# Allegro board RK_EVB7_RK3588_LP4XD200P232SD8_V11_20230111YWQ.brd (continued)
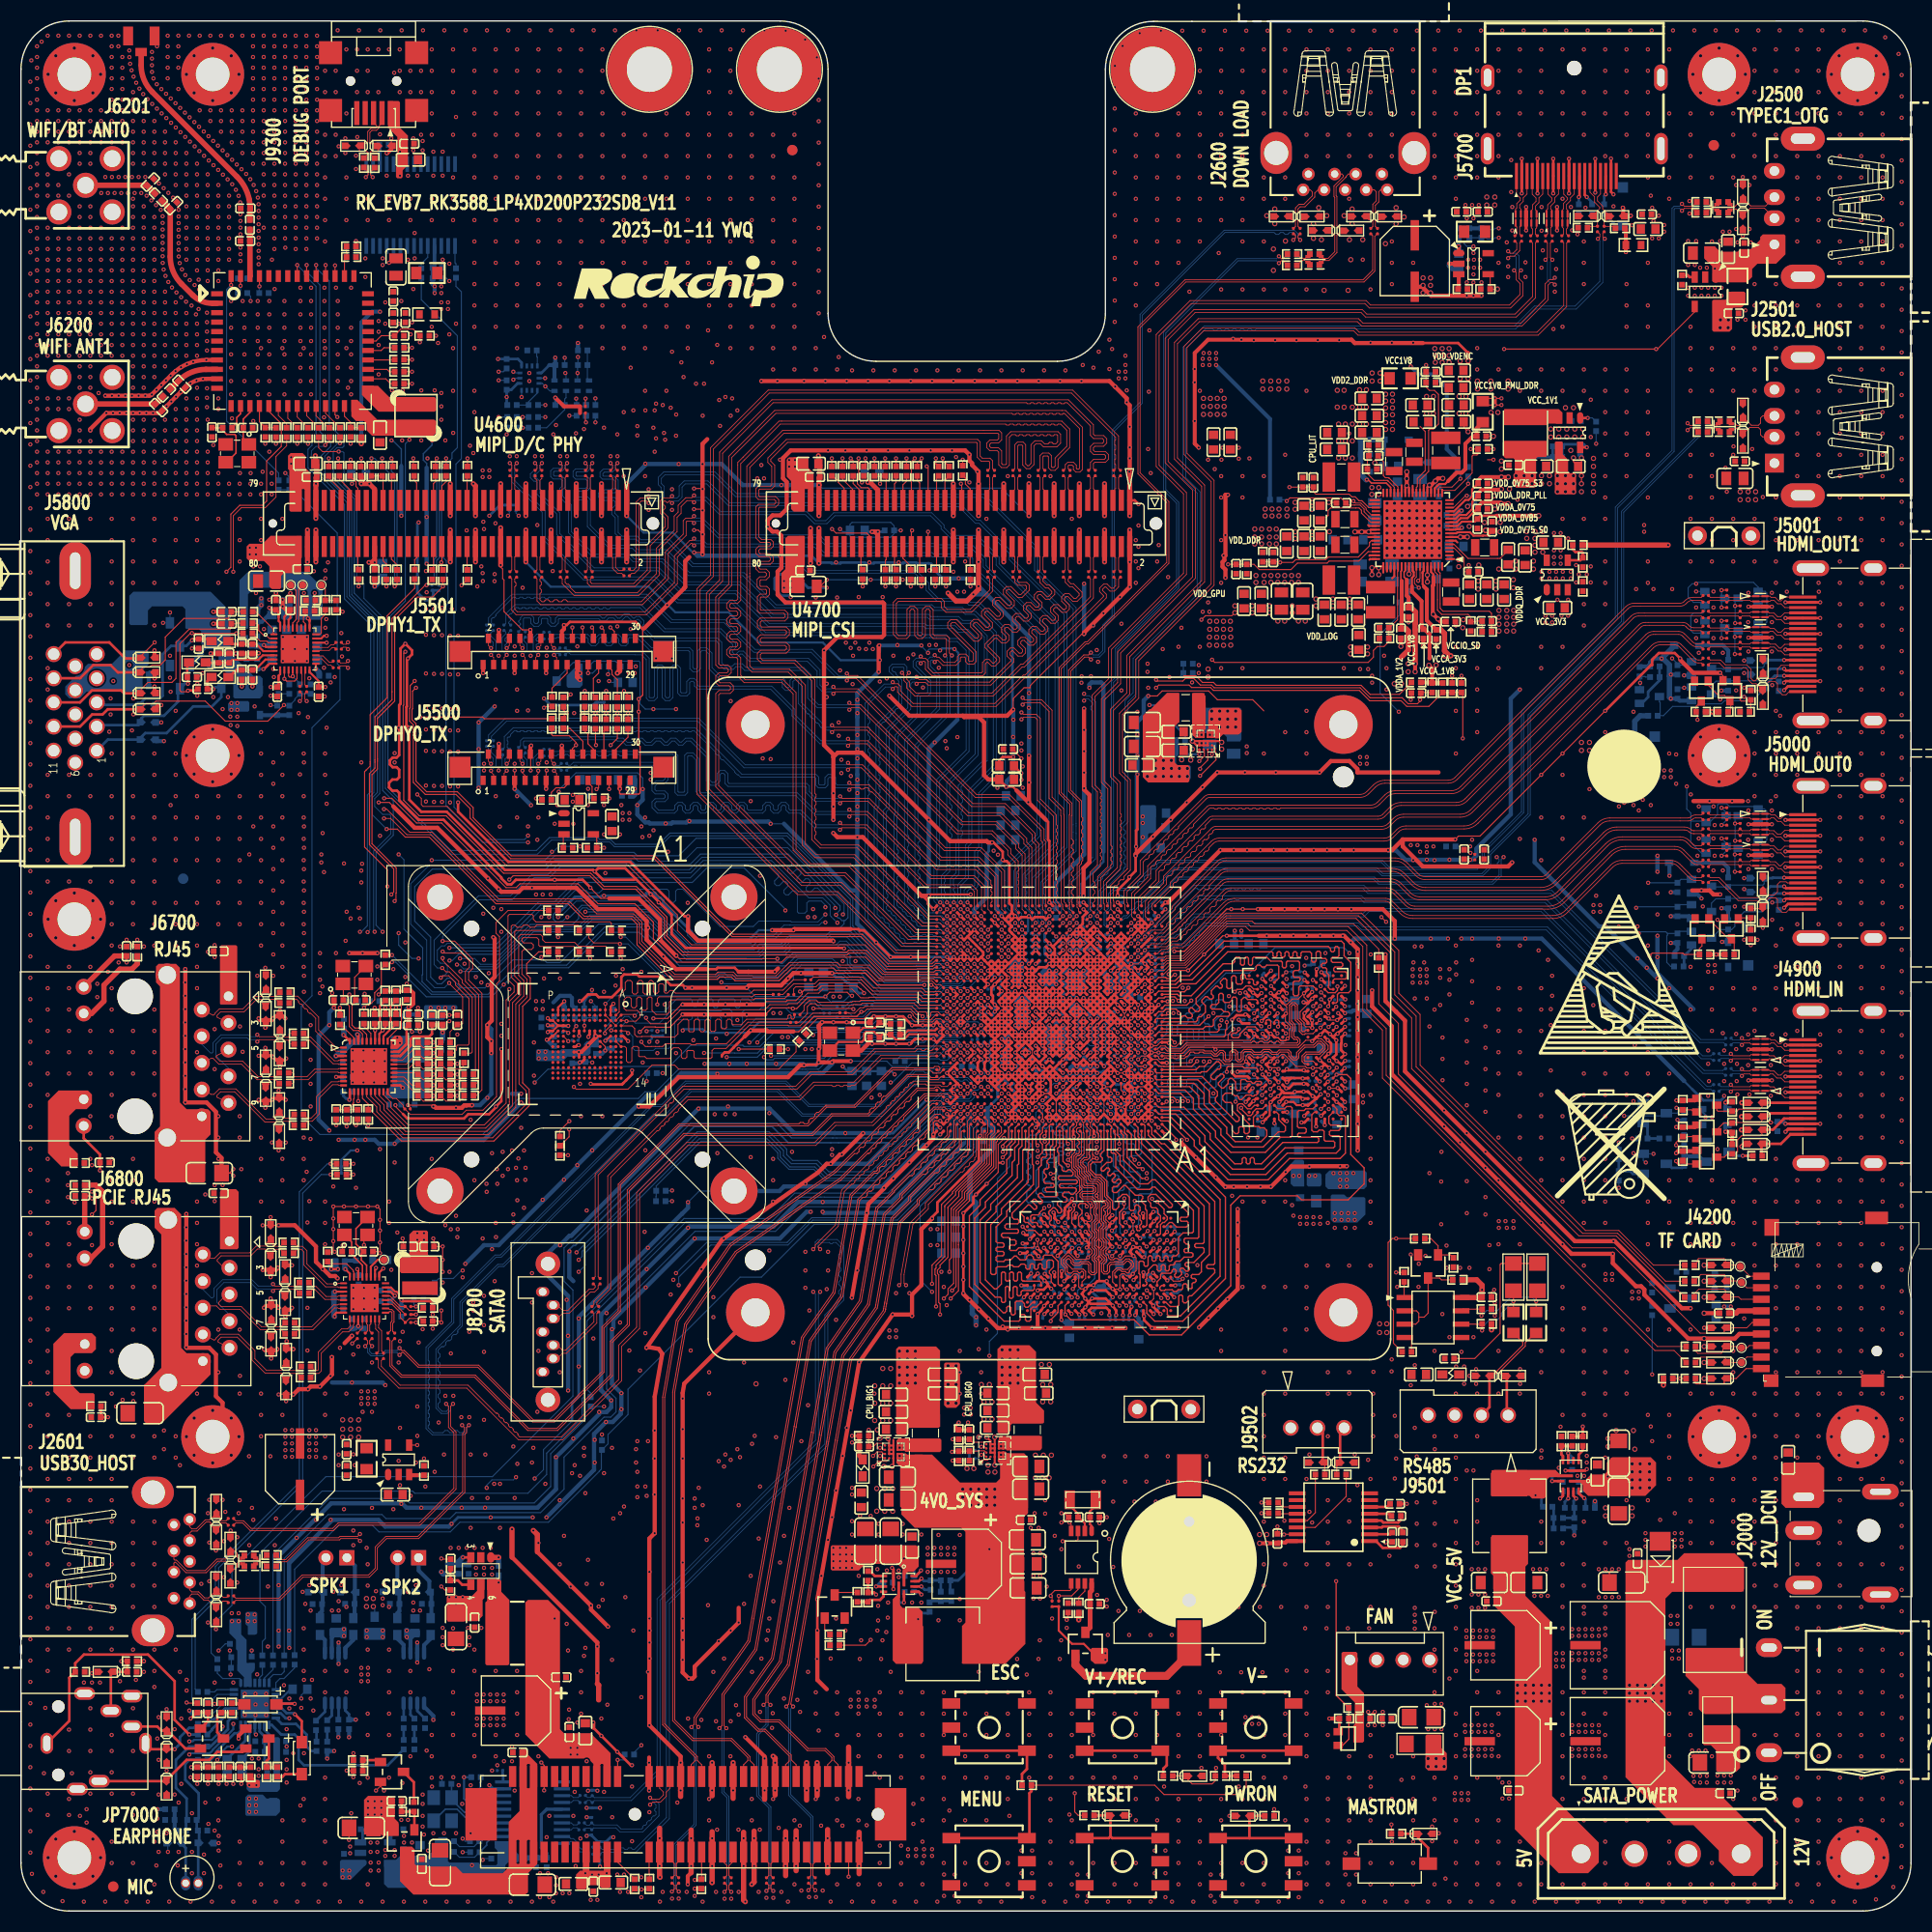
[diagram p0: board, top side]
## Routing (per net, layer and track width the routed paths; a pad name or vN(x,y) marks a point on that pad's centre or on a via; arc(x,y) is an arc through that point) (continued)
  L3-POWER1 w0.089: 99.01,96.28 99.01,94.98 98.92,94.89 98.92,94.43 v1(99.24,94.1)
  L3-POWER1 w0.104: v1(133.25,115.36) 133.25,109.06 133.25,107.49 131.62,105.86 131.62,91.97 131.83,91.76 131.83,86.3 132.49,85.64 132.49,63.79 131.85,63.16 131.85,62.4 132.36,61.89 132.36,59.1 133.5,57.95 133.5,54.67 131.22,52.39 131.22,50.99 129.44,49.21 129.44,42.97 127.81,41.34 127.81,34.3 127.53,34.02 127.53,20.37 120.79,13.63 v1(113.82,13.63) ; v1(101.01,117.58) 100.23,116.8 100.23,116.26 99.01,115.05 99.01,96.28
  L6-S2 w0.104: v1(108.1,117.26) 108,117.16 106.92,117.16 106.86,117.21 101.38,117.21 v1(101.01,117.58)
SARADC_VIN3_HP_HOOK: length 192.7
  TOP w0.104: U1000.AN17 98.27,95.08 v1(97.94,95.4)
  TOP w0.254: v1(16.21,13.7) C7017.1 R7014.1 R7012.1
  L3-POWER1 w0.089: 98.29,96.28 98.29,95.75 v1(97.94,95.4)
  L3-POWER1 w0.104: v1(95.4,109.01) 96.16,109.01 98.29,106.88 98.29,96.28 ; v1(22.12,103.29) 22.25,103.16 22.25,100.37 22,100.12 22,44.36 21.97,44.34 25.55,40.76 25.55,29.25 22,25.69 18.7,25.69 17.43,24.42 17.43,14.91 v1(16.21,13.7)
  L6-S2 w0.104: v1(22.12,103.29) 22.5,103.67 35.97,103.67 37.11,104.82 55.91,104.82 56.79,105.7 59.72,105.7 61.87,107.86 75.82,107.86 77.97,110.02 78.73,110.02 79.75,109.01 v1(95.4,109.01)
  BOTTOM w0.089: C1512.1 98.03,95.49 v1(97.94,95.4)
SARADC_VIN5_HW_ID: length 60.2
  TOP w0.089: v1(99.89,93.45) 99.57,93.13 U1000.AK15
  TOP w0.104: R1508.2 131.27,115.86 128.5,115.86 127.63,116.73 113.84,116.73 113.56,117.01 112.52,117.01 111.88,117.64 110.77,117.64 110.64,117.52 v1(109.37,117.52)
  L3-POWER1 w0.089: 99.57,95.06 99.57,93.78 v1(99.89,93.45)
  L3-POWER1 w0.104: 99.57,95.06 99.47,95.16 99.47,114.86 101.63,117.01 101.63,117.32 v1(101.9,117.59)
  L6-S2 w0.104: v1(109.37,117.52) 109.25,117.64 107.95,117.64 107.71,117.4 107,117.4 106.96,117.44 102.05,117.44 v1(101.9,117.59)
  BOTTOM w0.104: R1510.1 C1513.1 110.32,117.52 v1(109.37,117.52)
SARADC_VIN7_LCD_ID0: length 76.5
  TOP w0.089: U1000.AK17 v1(98.59,92.8)
  TOP w0.104: R5513.1 v1(56.03,105.96) ; C1514.1 94.84,110.28 94.84,110.23 95.28,109.79 v1(95.28,109.77)
  L3-POWER1 w0.089: 98.54,96.28 98.54,92.86 v1(98.59,92.8)
  L3-POWER1 w0.104: v1(95.28,109.77) 95.3,109.77 95.83,109.24 96.26,109.24 98.52,106.98 98.52,106.78 98.54,106.76 98.54,96.28 ; v1(55.9,117.78) 56.41,117.27 56.41,116.61 57.3,115.72 57.3,112.84 55.63,111.17 55.63,106.36 v1(56.03,105.96)
  L6-S2 w0.104: v1(95.28,109.77) 94.89,109.39 81.05,109.39 80.16,110.28 77.42,110.28 75.26,108.12 61.8,108.12 59.64,105.96 v1(56.03,105.96)
  BOTTOM w0.104: v1(55.9,117.78) 55.91,117.78 55.91,117.9 55.97,117.97 R5563.1
SATA0_RXN: length 6
  TOP w0.076: J8200.5 51.08,56.43 51.57,56.92 52.21,56.92 54.23,58.94 54.62,58.94 54.97,59.28 54.97,59.56 C8202.2
SATA0_RXP: length 5.5
  TOP w0.076: C8203.2 54.69,59.56 54.69,59.4 54.51,59.22 54.11,59.22 52.09,57.2 51.57,57.2 51.08,57.7 J8200.6
SATA0_TXN: length 6.2
  TOP w0.076: C8201.2 54.56,56.89 54.56,56.11 51.84,53.39 51.57,53.39 51.08,53.89 J8200.3
SATA0_TXP: length 6.7
  TOP w0.076: J8200.2 51.08,52.62 51.57,53.11 51.96,53.11 54.84,56 54.84,56.89 C8200.2
SATA30_0_RXN: length 47.6
  TOP w0.076: C8202.1 54.97,60.41 54.97,70.1 61.31,76.44 61.4,76.44 61.4,76.44 61.49,76.44 61.65,76.61 61.65,76.7 61.65,76.78 61.81,76.95 61.9,76.95 61.9,76.95 61.99,76.95 62.15,77.11 62.15,77.2 62.15,77.29 63.14,78.27 73.9,78.27 75.28,79.64 79.2,79.64 81.39,81.83 85.13,81.83 85.39,82.09 85.67,82.09 85.74,82.02 85.8,81.96 86.03,81.96 86.1,82.02 86.17,82.09 86.39,82.09 86.46,82.02 86.53,81.96 86.76,81.96 86.82,82.02 86.89,82.09 87.21,82.09 U1000.N34
SATA30_0_RXP: length 48.4
  TOP w0.076: C8203.1 54.69,60.41 54.69,70.21 63.02,78.55 73.79,78.55 75.16,79.92 79.09,79.92 81.27,82.11 85.01,82.11 85.27,82.37 87.58,82.37 U1000.N33
SATA30_0_TXN: length 50
  TOP w0.076: C8201.1 54.56,57.75 54.56,58.05 55.88,59.37 55.88,70.01 63.41,77.54 74.08,77.54 75.47,78.93 79.32,78.93 81.86,81.47 86.28,81.47 86.54,81.73 87.57,81.73 U1000.M33
SATA30_0_TXP: length 49.5
  TOP w0.076: C8200.1 54.84,57.75 54.84,57.94 56.16,59.26 56.16,69.89 60.57,74.3 60.63,74.3 60.63,74.3 60.69,74.3 60.86,74.46 60.86,74.52 60.86,74.59 61.02,74.75 61.08,74.75 61.08,74.75 61.14,74.75 61.31,74.91 61.31,74.97 61.31,75.04 61.44,75.17 61.57,75.17 61.73,75.34 61.73,75.46 61.89,75.62 62.02,75.62 62.18,75.79 62.18,75.91 62.34,76.07 62.47,76.07 62.63,76.24 62.63,76.36 63.53,77.26 74.19,77.26 75.59,78.65 77.2,78.65 77.33,78.53 77.56,78.53 77.68,78.65 77.91,78.65 78.04,78.53 78.27,78.53 78.39,78.65 78.62,78.65 78.75,78.53 78.98,78.53 79.1,78.65 79.43,78.65 81.97,81.19 86.4,81.19 86.65,81.45 87.2,81.45 U1000.M34
SD_CLK: length 56.3
  TOP w0.086: R1320.2 129.31,86.4 131.18,84.53 131.18,79.7 147.73,63.16 151.79,63.16 159.92,55.03 162.08,55.03 162.21,55.17 162.21,55.44 D4204.1 162.35,55.54 162.8,55.54 162.8,55.54 164.36,55.54 164.88,56.06 J4200.5
SD_CMD: length 7.7
  TOP w0.086: R4206.2 159.35,58.78 159.79,59.22 162.2,59.22 162.33,59.1 D4205.1 163.58,58.48 163.8,58.26 J4200.3
SD_D0: length 7.4
  TOP w0.086: J4200.7 164.62,53.86 164.39,53.63 TP4202.1 163.47,53.63 163.35,53.76 162.35,53.76 D4203.1 162.08,53.53 162.08,53.25 161.93,53.11 159.7,53.11 159.48,53.33 R4207.2
SD_D1: length 7.1
  TOP w0.086: R4208.2 159.99,52.75 162.23,52.75 162.33,52.64 D4202.1 162.35,52.24 163.85,52.24 TP4203.1 164.38,52.76 J4200.8
SD_D2: length 7.8
  TOP w0.086: J4200.1 164.65,60.46 TP4200.1 163.58,61.53 D4207.1 162.33,62.02 162.2,62.14 159.77,62.14 159.66,62.04 159.66,61.82 R4204.2
SD_D3: length 7.5
  TOP w0.086: J4200.2 164.36,59.36 TP4201.1 163.71,60 D4206.1 162.33,60.52 162.23,60.62 159.99,60.62 R4205.2
SD_DET: length 7.5
  TOP w0.104: J4200.9 164.29,51.66 163.35,50.71 162.35,50.71 D4201.1 162.21,50.61 162.21,50.31 162.11,50.21 159.56,50.21 159.48,50.28 R4209.2
SDIO_CLK_M0_WIFI: length 104.1
  TOP w0.086: v1(37.74,106.34) 38.13,105.96 38.13,105.37 38.3,105.2 40.61,105.2 46.2,99.61 57.78,99.61 62.51,94.87 62.51,93.38 63.88,92.02 80.39,92.02 82.45,89.96 86.82,89.96 87.09,90.23 87.51,90.23 U1000.AE33 ; R6207.1 v1(26.31,139.74)
  L3-POWER1 w0.079: v1(29.11,106.47) 29.45,106.47 30.34,107.36 30.34,113.2 26.7,116.85 26.7,124.5 26.44,124.75 26.44,126.49 26.06,126.87 26.06,132.76 26.82,133.52 26.82,139.23 v1(26.31,139.74)
  L6-S2 w0.079: v1(37.74,106.34) 37.49,106.59 29.24,106.59 v1(29.11,106.47)
SDIO_CMD_M0_WIFI: length 123.4
  TOP w0.086: v1(20.22,127.55) 20.22,132.88 20.98,133.64 23.27,133.64 24.28,134.66 24.28,138.52 25.3,139.54 R6206.1 ; v1(34.57,104.05) 35.2,104.05 36.75,102.51 39.02,102.51 45.37,96.16 52.22,96.16 53.64,94.74 58.25,94.74 58.9,94.09 58.9,93.89 58.9,93.89 58.9,92.21 62.15,88.96 66.24,88.96 66.45,89.17 67.76,89.17 68.1,88.84 72.06,88.84 73.3,90.08 77.62,90.08 77.88,89.83 80.67,89.83 81.72,88.78 81.83,88.78 81.83,88.78 81.99,88.78 86.9,88.78 87.1,88.58 U1000.AC34
  L3-POWER1 w0.079: v1(20.22,127.55) 20.17,127.55 20.07,127.44 20.07,119.76 17.42,117.11 17.42,113.96 13.95,110.49 13.95,105.62 v1(14.25,105.32)
  L6-S2 w0.079: v1(14.25,105.32) 26.44,105.32 27.71,104.05 v1(34.57,104.05)
SDIO_D0_M0_WIFI: length 116.7
  TOP w0.086: v1(28.98,139.61) 29.36,139.99 R6210.1
  TOP w0.089: U1000.AC32 88.52,88.58 v1(88.19,88.9)
  L6-S2 w0.079: v1(41.52,90.13) 41.52,89.76 40.19,88.43 39.79,88.43 39.14,89.08 39.14,91.1 38.38,91.86 34.38,91.86 v1(33.01,93.23)
  BOTTOM w0.086: v1(33.01,93.23) 33.22,93.43 33.22,106.13 33.61,106.52 33.61,122.6 31.04,125.16 31.04,134.16 27.65,137.55 27.65,138.75 27.66,138.76 27.66,139.05 28.09,139.48 28.85,139.48 v1(28.98,139.61) ; v1(88.19,88.9) 88.12,88.83 86.49,88.83 86.49,88.83 85.78,88.83 85.64,88.69 82.29,88.69 78.61,92.37 77.98,92.37 77.6,91.99 73.3,91.99 72.67,91.35 70.84,91.35 70.48,91 70.34,90.86 63.46,90.86 59.69,94.63 54.29,94.63 53.14,93.49 48.7,93.49 45.14,89.93 43.62,89.93 43.4,89.72 42.15,89.72 41.74,90.13 v1(41.52,90.13)
SDIO_D1_M0_WIFI: length 117.1
  TOP w0.086: R6211.1 v1(30.38,139.79)
  TOP w0.089: U1000.AC31 89.17,88.58 v1(88.84,88.9)
  L6-S2 w0.079: v1(41.81,90.72) 41.53,90.72 41.14,90.32 41.14,90.05 40.44,89.35 39.75,89.35 39.4,89.7 39.4,91.17 38.2,92.37 37.01,92.37 36.76,92.62 36.44,92.62 36.19,92.37 34.57,92.37 v1(33.68,93.26)
  BOTTOM w0.086: v1(33.68,93.26) 33.68,93.39 33.58,93.48 33.58,100.94 35.2,102.56 35.2,104.33 35.1,104.43 34.44,104.43 33.68,105.2 33.68,105.94 34.17,106.43 34.17,122.69 31.5,125.35 31.5,134.41 28.93,136.98 28.93,138.55 30.12,139.74 30.33,139.74 v1(30.38,139.79) ; v1(41.81,90.72) 43.21,90.72 43.76,90.16 45.05,90.16 48.6,93.72 53.05,93.72 54.19,94.86 59.79,94.86 63.56,91.09 70.25,91.09 70.76,91.61 72.56,91.61 73.32,92.37 76.81,92.37 77.19,92.75 78.66,92.75 82.35,89.07 85.58,89.07 85.65,89.14 86.44,89.14 86.44,89.14 87.6,89.14 87.69,89.23 88.52,89.23 v1(88.84,88.9)
SDIO_D2_M0_WIFI: length 101.8
  TOP w0.086: R6209.1 28.35,139.36 28.71,139 v1(30.25,139)
  TOP w0.089: U1000.AE32 v1(88.19,90.2)
  BOTTOM w0.086: v1(88.19,90.2) 87.65,90.2 87.5,90.06 85.27,90.06 85.2,89.99 85.03,89.99 82.71,89.99 78.99,93.71 78.99,96.34 72.93,102.4 61.87,102.4 60.96,101.49 60.83,101.36 56.52,101.36 56.06,101.81 55.03,101.81 54.85,101.99 52,101.99 50.52,101.99 49.17,100.65 40.97,100.65 40.84,100.78 34.7,106.92 34.7,122.98 32.66,125.01 32.66,126.41 31.97,127.1 31.97,134.6 30.76,135.8 30.76,138.87 30.66,138.98 30.25,138.98 30.25,139 v1(30.25,139)
SDIO_D3_M0_WIFI: length 105.8
  TOP w0.086: U1000.AC33 87.51,88.93 87.01,88.93 86.97,88.97 81.91,88.97 80.8,90.08 78,90.08 77.75,90.34 73.18,90.34 71.91,89.07 68.19,89.07 67.84,89.42 66.38,89.42 66.36,89.4 66.35,89.4 66.15,89.19 62.28,89.19 59.13,92.34 59.13,93.8 59.13,94.18 58.34,94.97 54.83,94.97 53.41,96.39 45.49,96.39 39.14,102.74 37.03,102.74 34.82,104.94 v1(34.57,104.94) ; R6208.1 v1(27.33,139.74)
  L3-POWER1 w0.079: v1(29.11,105.45) 30.57,106.92 30.57,113.35 27.84,116.09 27.84,117.64 27.46,118.02 27.46,118.53 27.88,118.96 27.88,125.06 27.59,125.36 27.59,126.78 26.9,127.47 26.9,132.2 27.58,132.88 27.58,139.49 v1(27.33,139.74)
  L6-S2 w0.079: v1(29.11,105.45) 32.92,105.45 33.43,104.94 v1(34.57,104.94)
SDIO_VSEL: length 3.3
  TOP w0.104: U6200.24 30.81,142.36 31.39,141.77 R6217.1 31.41,141.26 R6214.2
SDMMC0_CLK: length 24.4
  TOP w0.086: U1000.AE1 108.79,89.88 109.18,90.27 110.83,90.27 114.83,94.27 117.25,94.27 117.5,94.02 126.9,94.02 129.31,91.61 R1320.1
SDMMC0_CMD: length 72.6
  TOP w0.086: R4206.1 157.82,59.1 157.12,59.1 151.92,64.3 148.36,64.3 132.44,80.22 132.44,85.05 130.45,87.04 130.45,91.23 127.15,94.53 114.8,94.53 110.77,90.5 109.13,90.5 108.81,90.19 108.32,90.19 U1000.AE2
SDMMC0_D0: length 75.4
  TOP w0.086: R4207.1 155.85,53.76 130.02,79.6 130.02,84.04 128.17,85.89 128.17,91.99 126.39,93.77 117.12,93.77 116.87,94.02 114.85,94.02 110.91,90.08 109.37,90.08 108.86,89.58 108.36,89.58 U1000.AD2
SDMMC0_D1: length 75.2
  TOP w0.086: U1000.AD1 108.85,89.23 109.45,89.83 110.95,89.83 114.88,93.77 116.61,93.77 116.99,93.39 126.26,93.39 127.79,91.86 127.79,85.77 129.66,83.9 129.66,79.32 155.6,53.38 157.44,53.38 R4208.1
SDMMC0_D2: length 71.4
  TOP w0.086: U1000.AF2 108.31,90.82 108.9,90.82 109.02,90.94 110.66,90.94 114.76,95.04 127.66,95.04 131.22,91.48 131.22,87.42 133.25,85.38 133.25,80.56 149,64.81 152.17,64.81 155.47,61.51 R4204.1
SDMMC0_D3: length 71.2
  TOP w0.086: U1000.AF1 108.89,90.53 109.09,90.73 110.72,90.73 114.78,94.78 127.38,94.78 130.84,91.33 130.84,87.26 132.87,85.23 132.87,80.4 148.73,64.54 152.06,64.54 156.62,59.98 R4205.1
SDMMC_DET_L: length 182.1
  TOP w0.089: v1(89.49,82.4) 89.17,82.73 U1000.P31
  TOP w0.104: R4203.1 v1(158.01,50.71) R4209.1
  L3-POWER1 w0.104: v1(71.42,81.45) 71.42,81.35 70.62,80.54 70.62,75.64 68.04,73.07 63.89,73.07 63.15,72.32 63.15,62.09 63.94,61.29 63.94,61.1 63.94,58.09 63.53,57.69 62.71,56.86 62.71,49.1 62.58,48.97 62.58,41.5 64.54,39.54 64.54,38.9 64.16,38.52 v1(64.16,38.39) ; v1(158.01,50.71) 157.76,50.46 157.76,38.14 v1(157.51,37.89)
  L6-S2 w0.104: v1(64.16,38.39) 64.41,38.14 72.42,38.14 73.81,36.74 79.15,36.74 80.54,35.35 96.93,35.35 98.58,33.7 129.18,33.7 129.69,33.19 131.6,33.19 132.11,33.7 147.85,33.7 151.28,37.12 154.71,37.12 155.35,37.76 157.38,37.76 v1(157.51,37.89)
  BOTTOM w0.089: 86.42,82.13 86.56,82.13 87.4,82.97 89.18,82.97 89.49,82.66 v1(89.49,82.4)
  BOTTOM w0.104: 86.42,82.13 77.03,82.13 76.35,81.45 v1(71.42,81.45)
SDMMC_PWREN: length 199.1
  TOP w0.089: U1000.T28 v1(91.44,84.35)
  L3-POWER1 w0.104: v1(156.11,37.25) 156.11,48.94 155.35,49.7 v1(155.35,51.09) ; v1(57.06,37.88) 57.02,37.88 56.92,37.99 56.92,38.65 57.68,39.41 57.68,44.49 58.03,44.84 58.03,47.7 60.22,49.9 60.22,60.37 60.47,60.62 60.47,69.26 60.79,69.58 60.79,76.05 64.16,79.42 64.16,81.07 64.81,81.72 v1(65.06,81.72)
  L6-S2 w0.104: v1(156.11,37.25) 155.6,36.74 151.41,36.74 148.11,33.44 132.23,33.44 131.72,32.93 129.57,32.93 129.06,33.44 98.45,33.44 96.78,35.12 93.72,35.12 80.45,35.12 79.07,36.49 73.67,36.49 72.27,37.89 57.05,37.89 57.05,37.88 v1(57.06,37.88)
  BOTTOM w0.089: 84.35,83.23 85.44,83.23 85.65,83.43 86.36,83.43 86.5,83.57 87.19,83.57 87.37,83.38 88.98,83.38 89.17,83.57 89.17,84.49 89.36,84.68 91.12,84.68 v1(91.44,84.35)
  BOTTOM w0.104: v1(65.06,81.72) 67.95,81.72 67.97,81.7 70.14,81.7 71.15,82.71 80.16,82.71 80.68,83.23 84.35,83.23 ; R4201.1 v1(155.35,51.09)
SPI2_CLK_M2: length 32
  TOP w0.089: U1000.N31 v1(88.84,81.75)
  L6-S2 w0.089: v1(88.84,81.75) 88.69,81.75 88.25,81.32 86.42,81.32
  L6-S2 w0.104: 86.42,81.32 77.11,81.32 76.03,80.24 74.89,80.24 73.18,78.53 60.1,78.53 v1(59.59,79.03)
  BOTTOM w0.104: v1(59.59,79.03) 59.59,79.74 R1104.1
SPK1_N: length 6
  BOTTOM w0.381: J7000.2 28.73,33.33 28.73,29.28 C7028.1 28.67,28.56 28.47,28.36 L7001.2
SPK1_P: length 6.1
  BOTTOM w0.381: L7000.2 31.77,28.01 C7029.1 31.8,29.28 ED7006.1 31.8,32.88 J7000.1
SPK2_N: length 5.9
  BOTTOM w0.381: J7001.2 35.84,33.61 ED7009.1 36.04,30.18 C7034.1 36.04,28.56 35.84,28.36 L7003.2
SPK2_P: length 6.3
  BOTTOM w0.381: J7001.1 37.87,32.43 38.89,31.41 ED7008.1 39.08,30.18 C7035.1 39.08,27.96 L7002.2
SPK_CTL_H: length 160.2
  TOP w0.089: v1(90.14,94.75) U1000.AM29
  L3-POWER1 w0.104: v1(39.27,18.2) 39.27,38.52 36.73,41.06 36.73,48.43 38.63,50.33 38.63,61.51 36.73,63.41 36.73,64.43 34.67,66.49 34.67,67.89 34.95,68.16 34.95,77.26 34.01,78.2 34.01,82.82 32.16,84.67 32.16,87.1 32.08,87.18 32.08,91.85 31.68,92.25 31.68,92.72 31.27,93.13 31.27,93.87 31.77,94.37 31.77,98.61 32.26,99.1 32.41,99.1 32.41,99.09 v1(32.41,99.09)
  L6-S2 w0.089: v1(90.14,94.75) 90.14,94.86 90.58,95.29 90.58,96.18 90.47,96.28
  L6-S2 w0.102: 90.47,96.28 90.32,96.43 90.21,96.43
  L6-S2 w0.104: 90.21,96.43 88.31,98.34 76.54,98.34 75.27,99.61 33.65,99.61 33.05,99.01 32.5,99.01 32.41,99.1 32.41,99.09 v1(32.41,99.09)
  L6-S2 w0.381: v1(39.27,18.2) 39.25,18.22 v1(31.88,18.22)
  BOTTOM w0.254: U7001.1 30.9,19.08 31.24,18.74 R7024.2
  BOTTOM w0.381: U7002.1 38.39,19.46 39.27,18.58 v1(39.27,18.2) ; R7024.2 v1(31.88,18.22)
SYS4V0_MODE_L: length 80
  TOP w0.089: U1000.T32 v1(88.19,84.35)
  TOP w0.104: R2031.1 80.42,25.31 v1(80.92,25.82)
  L3-POWER1 w0.104: v1(75.44,83.43) 75.39,83.43 75.34,83.48 74.57,83.48 74.32,83.23 74.32,81.07 74.18,80.92 74.18,75.88 74.7,75.35 76.23,75.35 78.64,72.94 78.64,70.43 78.13,69.92 78.13,55.67 80.29,53.51 80.29,35.22 80.8,34.71 80.8,25.95 v1(80.92,25.82)
  BOTTOM w0.086: v1(88.19,84.35) 88,84.35 87.68,84.68 86.76,84.68 86.51,84.43 86.51,84.14 86.19,83.82 85.48,83.82 85.35,83.69 84.35,83.69
  BOTTOM w0.104: v1(75.44,83.43) 75.7,83.69 84.35,83.69
TP_INT: length 3.5
  TOP w0.104: J5501.25 56.01,118.43 56.29,118.15 56.29,117.77 56.79,117.26 R5544.2
TP_INT_L: length 55.6
  TOP w0.089: U1000.Y29 v1(90.14,86.3)
  TOP w0.104: R5544.1 v1(56.79,114.09) R5517.1
  L3-POWER1 w0.089: v1(90.14,86.3) 89.82,85.98 87.82,85.98 86.5,87.3
  L3-POWER1 w0.104: v1(70.64,109.77) 70.38,109.51 70.38,103.64 72.09,101.93 72.09,94.83 72.66,94.25 72.66,93.07 73.34,92.39 73.84,92.39 76.47,89.77 77.5,89.77 77.81,89.45 77.81,89.45 78.27,88.99 83.91,88.99 85.6,87.3 86.5,87.3
  L6-S2 w0.104: v1(70.64,109.77) 61.11,109.77 v1(56.79,114.09)
TP_RST: length 8.6
  TOP w0.104: J5501.26 56.51,121.86 56.13,122.24 v1(56.13,122.24) ; v1(57.43,116.19) 57.81,115.81 R5545.1
  L3-POWER1 w0.104: v1(57.43,116.19) 57.43,116.25 56.67,117.01 56.67,117.39 56.28,117.77 56.28,122.09 v1(56.13,122.24)
TP_RST_L: length 66.1
  TOP w0.089: v1(91.44,86.95) 91.77,86.63 U1000.Y27
  TOP w0.104: R5518.2 v1(57.81,114.09) R5545.2
  L3-POWER1 w0.104: v1(57.81,114.09) 57.96,113.94 57.96,112.08 56.41,110.53 56.41,105.32 56.29,105.2 56.29,97.83 56.54,97.58 56.54,93.77 56.06,93.28 56.06,88.6 56.52,88.14 v1(56.62,88.14)
  L6-S2 w0.089: v1(91.44,86.95) 91.12,86.63 90.01,86.63 89.82,86.82 89.82,87.09 89.63,87.28 87.77,87.28 87.23,86.73 86.42,86.73
  L6-S2 w0.104: v1(56.62,88.14) 62.84,88.14 63.02,88.31 64.92,88.31 66.28,86.94 74.61,86.94 75.4,87.73 79.75,87.73 79.91,87.57 79.91,87.26 80.13,87.04 80.45,87.04 80.75,86.73 86.42,86.73
TSADC_SHUT_H: length 6.7
  TOP w0.089: U1000.P32 88.52,82.73 v1(88.84,82.4)
  BOTTOM w0.089: v1(88.84,82.4) 88.84,82.38 88.54,82.08 88.06,82.08 87.37,81.39 86.42,81.39
  BOTTOM w0.104: 86.42,81.39 83.72,81.39 R1100.2
TYPEC0_OTG_DM: length 76
  TOP w0.084: v1(119.8,156.94) 120.03,157.17 120.18,157.17 R2602.1 ; U1000.AM12 v1(101.84,94.75)
  BOTTOM w0.084: v1(101.84,94.75) 101.62,94.53 101.49,94.53 101.43,94.59 101.43,94.83 101.87,95.27 101.87,95.55 101.94,95.62 102.01,95.69 102.01,95.94 101.94,96.01 101.87,96.08 101.87,97.36 102.19,97.68 102.35,97.68 102.53,97.85 102.53,98.02 102.67,98.16 102.82,98.16 103,98.33 103,98.49 103.18,98.67 103.33,98.67 103.51,98.84 103.51,99 104.04,99.53 104.04,100.48 104.05,100.48 104.05,117.01 104.44,117.4 104.44,120.17 110.26,125.99 110.26,134.15 109.02,135.39 109.02,150.28 115.91,157.16 119.57,157.16 v1(119.8,156.94)
TYPEC0_OTG_DP: length 76.3
  TOP w0.084: R2605.1 120.18,157.37 120.02,157.37 v1(119.8,157.59) ; U1000.AL12 v1(101.84,94.1)
  BOTTOM w0.084: v1(119.8,157.59) 119.57,157.37 115.82,157.37 108.82,150.36 108.82,135.31 110.06,134.07 110.06,126.08 104.23,120.25 104.23,117.48 103.84,117.09 103.84,100.57 103.84,100.56 103.84,99.61 101.67,97.44 101.67,95.35 101.23,94.92 101.23,94.5 101.41,94.33 101.62,94.33 v1(101.84,94.1)
TYPEC0_REXT: length 1
  TOP w0.254: U1000.AH16 v1(99.24,92.15)
  BOTTOM w0.254: R1402.1 98.84,92.43 98.84,92.43 98.84,92.45 98.88,92.45 99.08,92.24 99.15,92.24 v1(99.24,92.15)
TYPEC0_SSRX1N: length 80.9
  TOP w0.084: v1(101.9,119.19) 101.67,119.42 101.3,119.42 99.97,118.1 99.97,106.74 100.99,105.72 100.99,104.21 101.12,104.08 101.12,103.83 100.99,103.71 100.99,103.45 101.12,103.33 101.12,103.08 100.99,102.95 100.99,102.7 101.12,102.57 101.12,102.32 100.99,102.19 100.99,101.94 101.12,101.81 101.12,101.56 100.99,101.43 100.99,101.18 101.12,101.06 101.12,100.8 100.99,100.68 100.99,100.43 101.12,100.3 101.12,100.05 100.99,99.92 100.99,99.74 100.79,99.53 100.79,96.09 100.78,96.08 100.78,95.81 U1000.AP13 ; v1(121.17,159.15) 121.38,159.35 121.38,159.54 R2607.1
  BOTTOM w0.084: v1(121.17,159.15) 121.4,159.37 121.4,159.66 121.2,159.86 120.83,159.86 120.73,159.77 120.64,159.68 120.39,159.68 120.3,159.77 120.21,159.86 119.96,159.86 119.86,159.77 119.77,159.68 119.52,159.68 119.43,159.77 119.34,159.86 114.67,159.86 106.78,151.98 106.78,143.59 104.11,140.93 104.11,123.27 103.23,122.38 103.23,119.95 102.7,119.42 102.12,119.42 v1(101.9,119.19)
TYPEC0_SSRX1P: length 81.4
  TOP w0.084: v1(101.9,119.85) 101.67,119.62 101.21,119.62 99.77,118.18 99.77,106.65 100.79,105.64 100.79,99.82 100.58,99.62 100.58,96.17 100.58,96.17 100.58,95.86 100.57,95.85 100.57,95.61 100.72,95.46 100.72,95.22 U1000.AN13 ; v1(121.83,159.15) 121.62,159.35 121.62,159.54 R2608.1
  BOTTOM w0.084: v1(121.83,159.15) 121.6,159.37 121.6,159.74 121.28,160.07 114.59,160.07 106.58,152.06 106.58,143.68 103.91,141.01 103.91,123.36 103.02,122.47 103.02,120.03 102.61,119.62 102.12,119.62 v1(101.9,119.85)
TYPEC0_SSTX1N: length 90
  TOP w0.084: C2605.1 128.73,159.56 128.73,156.26 127.81,155.35 110.85,155.35 106.38,150.87 106.38,136.88 109.12,134.14 109.12,128.44 101.56,120.87 101.34,120.87 98.87,118.4 98.87,106.6 98.87,106.6 98.87,106.56 98.87,106.56 98.87,106.43 99.89,105.41 99.89,104.44 99.84,104.39 99.84,96.03 99.86,96.01 99.86,95.85 99.86,95.85 99.86,95.61 99.86,95.61 99.86,95.44 U1000.AN14
TYPEC0_SSTX1P: length 90.4
  TOP w0.084: C2606.1 128.93,159.49 128.93,156.18 127.9,155.15 110.93,155.15 106.58,150.79 106.58,136.97 109.32,134.22 109.32,128.35 101.64,120.67 101.43,120.67 99.07,118.32 99.07,106.51 100.09,105.49 100.09,104.36 100.04,104.31 100.04,102.11 100.23,101.92 100.23,101.68 100.04,101.49 100.04,101.25 100.23,101.06 100.23,100.82 100.04,100.63 100.04,100.38 100.23,100.19 100.23,99.95 100.04,99.76 100.04,99.52 100.23,99.33 100.23,99.08 100.04,98.89 100.04,98.65 100.23,98.46 100.23,98.22 100.04,98.03 100.04,97.79 100.23,97.6 100.23,97.35 100.04,97.16 100.04,96.92 100.23,96.73 100.23,96.49 100.04,96.3 100.04,96.12 100.1,96.05 100.1,95.84 U1000.AP14
TYPEC0_USB20_VBUSDET: length 97.3
  TOP w0.089: U1000.AM14 v1(100.54,94.75)
  L3-POWER1 w0.089: 100.1,96.28 100.1,95.67 100.54,95.23 v1(100.54,94.75)
  L3-POWER1 w0.104: 100.1,96.28 100.1,96.54 99.94,96.7 99.94,111.8 103.78,115.65 103.78,122.6 109.63,128.44 109.63,146.73 116.74,153.84 130.96,153.84 137.38,160.26 v1(140.74,160.26)
  BOTTOM w0.104: v1(140.74,160.26) 140.39,160.26 140.26,160.13 139.65,160.13 139.52,160.26 R2601.1
  BOTTOM w0.381: R2601.1 C2600.1 R2600.2
TYPEC1_OTG_DM: length 114.3
  TOP w0.084: v1(158.19,161.93) 158.41,162.16 159.19,162.16 R2513.2
  TOP w0.089: v1(103.79,94.1) U1000.AL9
  BOTTOM w0.084: v1(103.79,94.1) 103.79,94.03 103.64,93.88 103.46,93.88 103.35,93.98 103.35,94.99 103.78,95.42 103.78,96.81 104.18,97.21 105.7,97.21 105.93,97.43 106.18,97.43 106.36,97.61 106.36,97.86 106.54,98.04 106.79,98.04 106.97,98.22 106.97,98.47 107.15,98.65 107.4,98.65 107.58,98.83 107.58,99.08 107.75,99.26 108.01,99.26 108.19,99.44 108.19,99.69 108.36,99.86 129.57,99.86 130.22,99.2 138.69,99.2 139.36,99.88 139.36,100.86 143.1,104.6 143.1,114.13 152.04,123.07 152.04,133.61 157.44,139.01 157.44,162.07 157.53,162.16 157.96,162.16 v1(158.19,161.93)
TYPEC1_OTG_DP: length 114.3
  TOP w0.084: R2512.2 159.19,162.36 158.41,162.36 v1(158.19,162.58) ; v1(103.79,93.45) U1000.AK9
  BOTTOM w0.084: v1(158.19,162.58) 157.96,162.36 157.44,162.36 157.24,162.16 157.24,139.09 151.84,133.7 151.84,123.15 142.9,114.21 142.9,104.69 139.16,100.95 139.16,99.96 138.6,99.41 130.31,99.41 129.65,100.07 108.27,100.07 105.62,97.41 104.09,97.41 103.58,96.9 103.58,95.5 103.15,95.07 103.15,93.9 103.37,93.68 103.57,93.68 v1(103.79,93.45)
U_DM: length 2.5
  TOP w0.084: v1(33.49,165.13) 33.27,165.36 33.27,165.63 R9302.1
  BOTTOM w0.084: v1(33.49,165.13) 33.4,165.22 33.4,166.24 U9300.16
U_DP: length 2.6
  TOP w0.084: v1(32.84,165.13) 33.07,165.36 33.07,165.63 32.66,166.04 R9303.1
  BOTTOM w0.084: U9300.15 33.02,166.24 33.02,165.31 v1(32.84,165.13)
UART0_RX_M2: length 144.6
  TOP w0.089: v1(90.79,94.1) U1000.AL28
  TOP w0.104: R9511.1 v1(130.96,60.82)
  L3-POWER1 w0.089: v1(90.79,94.1) 90.71,94.1 90.39,94.43 90.01,94.43 89.82,94.62 89.82,94.89 89.63,95.08 89.36,95.08 89.17,95.27 89.17,96.28
  L3-POWER1 w0.104: v1(130.96,60.82) 130.71,61.07 130.71,63.77 130.58,63.89 130.58,64.21 130.73,64.35 130.73,90.88 128.7,92.91 128.7,101.89 129.28,102.48 129.28,110.61 128.3,111.6 128.3,117.26 v1(128.68,117.64) ; v1(79.82,120.22) 80.33,119.72 80.33,108.48 88.04,100.77 88.04,97.97 89.17,96.84 89.17,96.28
  L6-S2 w0.104: v1(79.82,120.22) 81.39,118.66 82.52,118.66 85.04,116.15 86.34,116.15 88.72,118.52 100.06,118.52 100.38,118.2 102.16,118.2 102.23,118.13 106.56,118.13 106.82,118.39 107.44,118.39 107.56,118.28 109.47,118.28 109.98,117.77 109.98,117.37 111.18,116.17 127.2,116.17 v1(128.68,117.64)
UART0_TX_M2: length 154.2
  TOP w0.089: U1000.AL29 v1(90.14,94.1)
  TOP w0.104: R9515.1 130.71,54.07 130.71,57.19 130.2,57.7 130.2,63.67 130.58,64.05 v1(130.96,64.05) R9517.1
  L3-POWER1 w0.089: v1(90.14,94.1) 89.99,94.1 89.66,94.43 89.36,94.43 89.17,94.62 89.17,94.89 88.98,95.08 88.71,95.08 88.52,95.27 88.52,96.27
  L3-POWER1 w0.104: v1(128.68,116.99) 128.55,116.86 128.55,111.8 129.51,110.84 129.51,102.38 128.93,101.8 128.93,93 130.96,90.97 v1(130.96,64.05) ; 88.52,96.27 88.52,96.92 87.78,97.66 87.78,100.7 80.1,108.38 80.1,119.23 79.02,120.31 v1(79.02,120.29)
  L6-S2 w0.104: v1(79.02,120.29) 79.27,120.04 79.38,120.04 81.02,118.4 82.3,118.4 84.79,115.91 86.44,115.91 88.82,118.29 99.96,118.29 100.28,117.97 102.06,117.97 102.26,117.77 106.96,117.77 107.09,117.63 107.46,117.63 107.72,117.89 109.53,117.89 109.75,117.67 109.75,117.27 111.09,115.93 127.62,115.93 v1(128.68,116.99)
UART2_RX_M0_DEBUG: length 125.4
  TOP w0.089: U1000.R29 90.47,83.38 v1(90.14,83.7)
  L3-POWER1 w0.104: v1(48.29,102.42) 48.66,102.04 48.66,101.61 48.25,101.2 48.25,98.98 48.27,98.96 48.27,98.65 48.27,97.5 47.77,96.99 47.77,92.01 48.13,91.65 48.13,88.68 48.41,88.39 48.41,83.08 48.77,82.72 v1(48.85,82.72)
  L6-S2 w0.089: 86.42,83.48 86.93,83.48 87.41,83 89.44,83 v1(90.14,83.7)
  L6-S2 w0.104: 86.42,83.48 84.5,83.48 84.26,83.71 79.67,83.71 79.66,83.7 79.53,83.57 75.85,83.57 75.45,83.97 74.14,83.97 73.78,83.6 72.23,83.6 70.84,82.21 69.11,82.21 68.86,82.46 67.97,82.46 67.72,82.21 57.43,82.21 55.65,80.43 51.97,80.43 50.06,82.34 49.55,82.34 49.17,82.72 v1(48.85,82.72)
  BOTTOM w0.104: v1(48.29,102.42) 48.29,102.38 47.95,102.04 44.33,102.04 41.24,105.13 41.24,123.68 41.43,123.87 41.43,137.81 41.94,138.32 41.94,154.22 41.43,154.73 R9300.1
